# Altium PCB AIWAC-bolster-V02_Change_comment.PcbDoc (part 1 of 2) (continued)
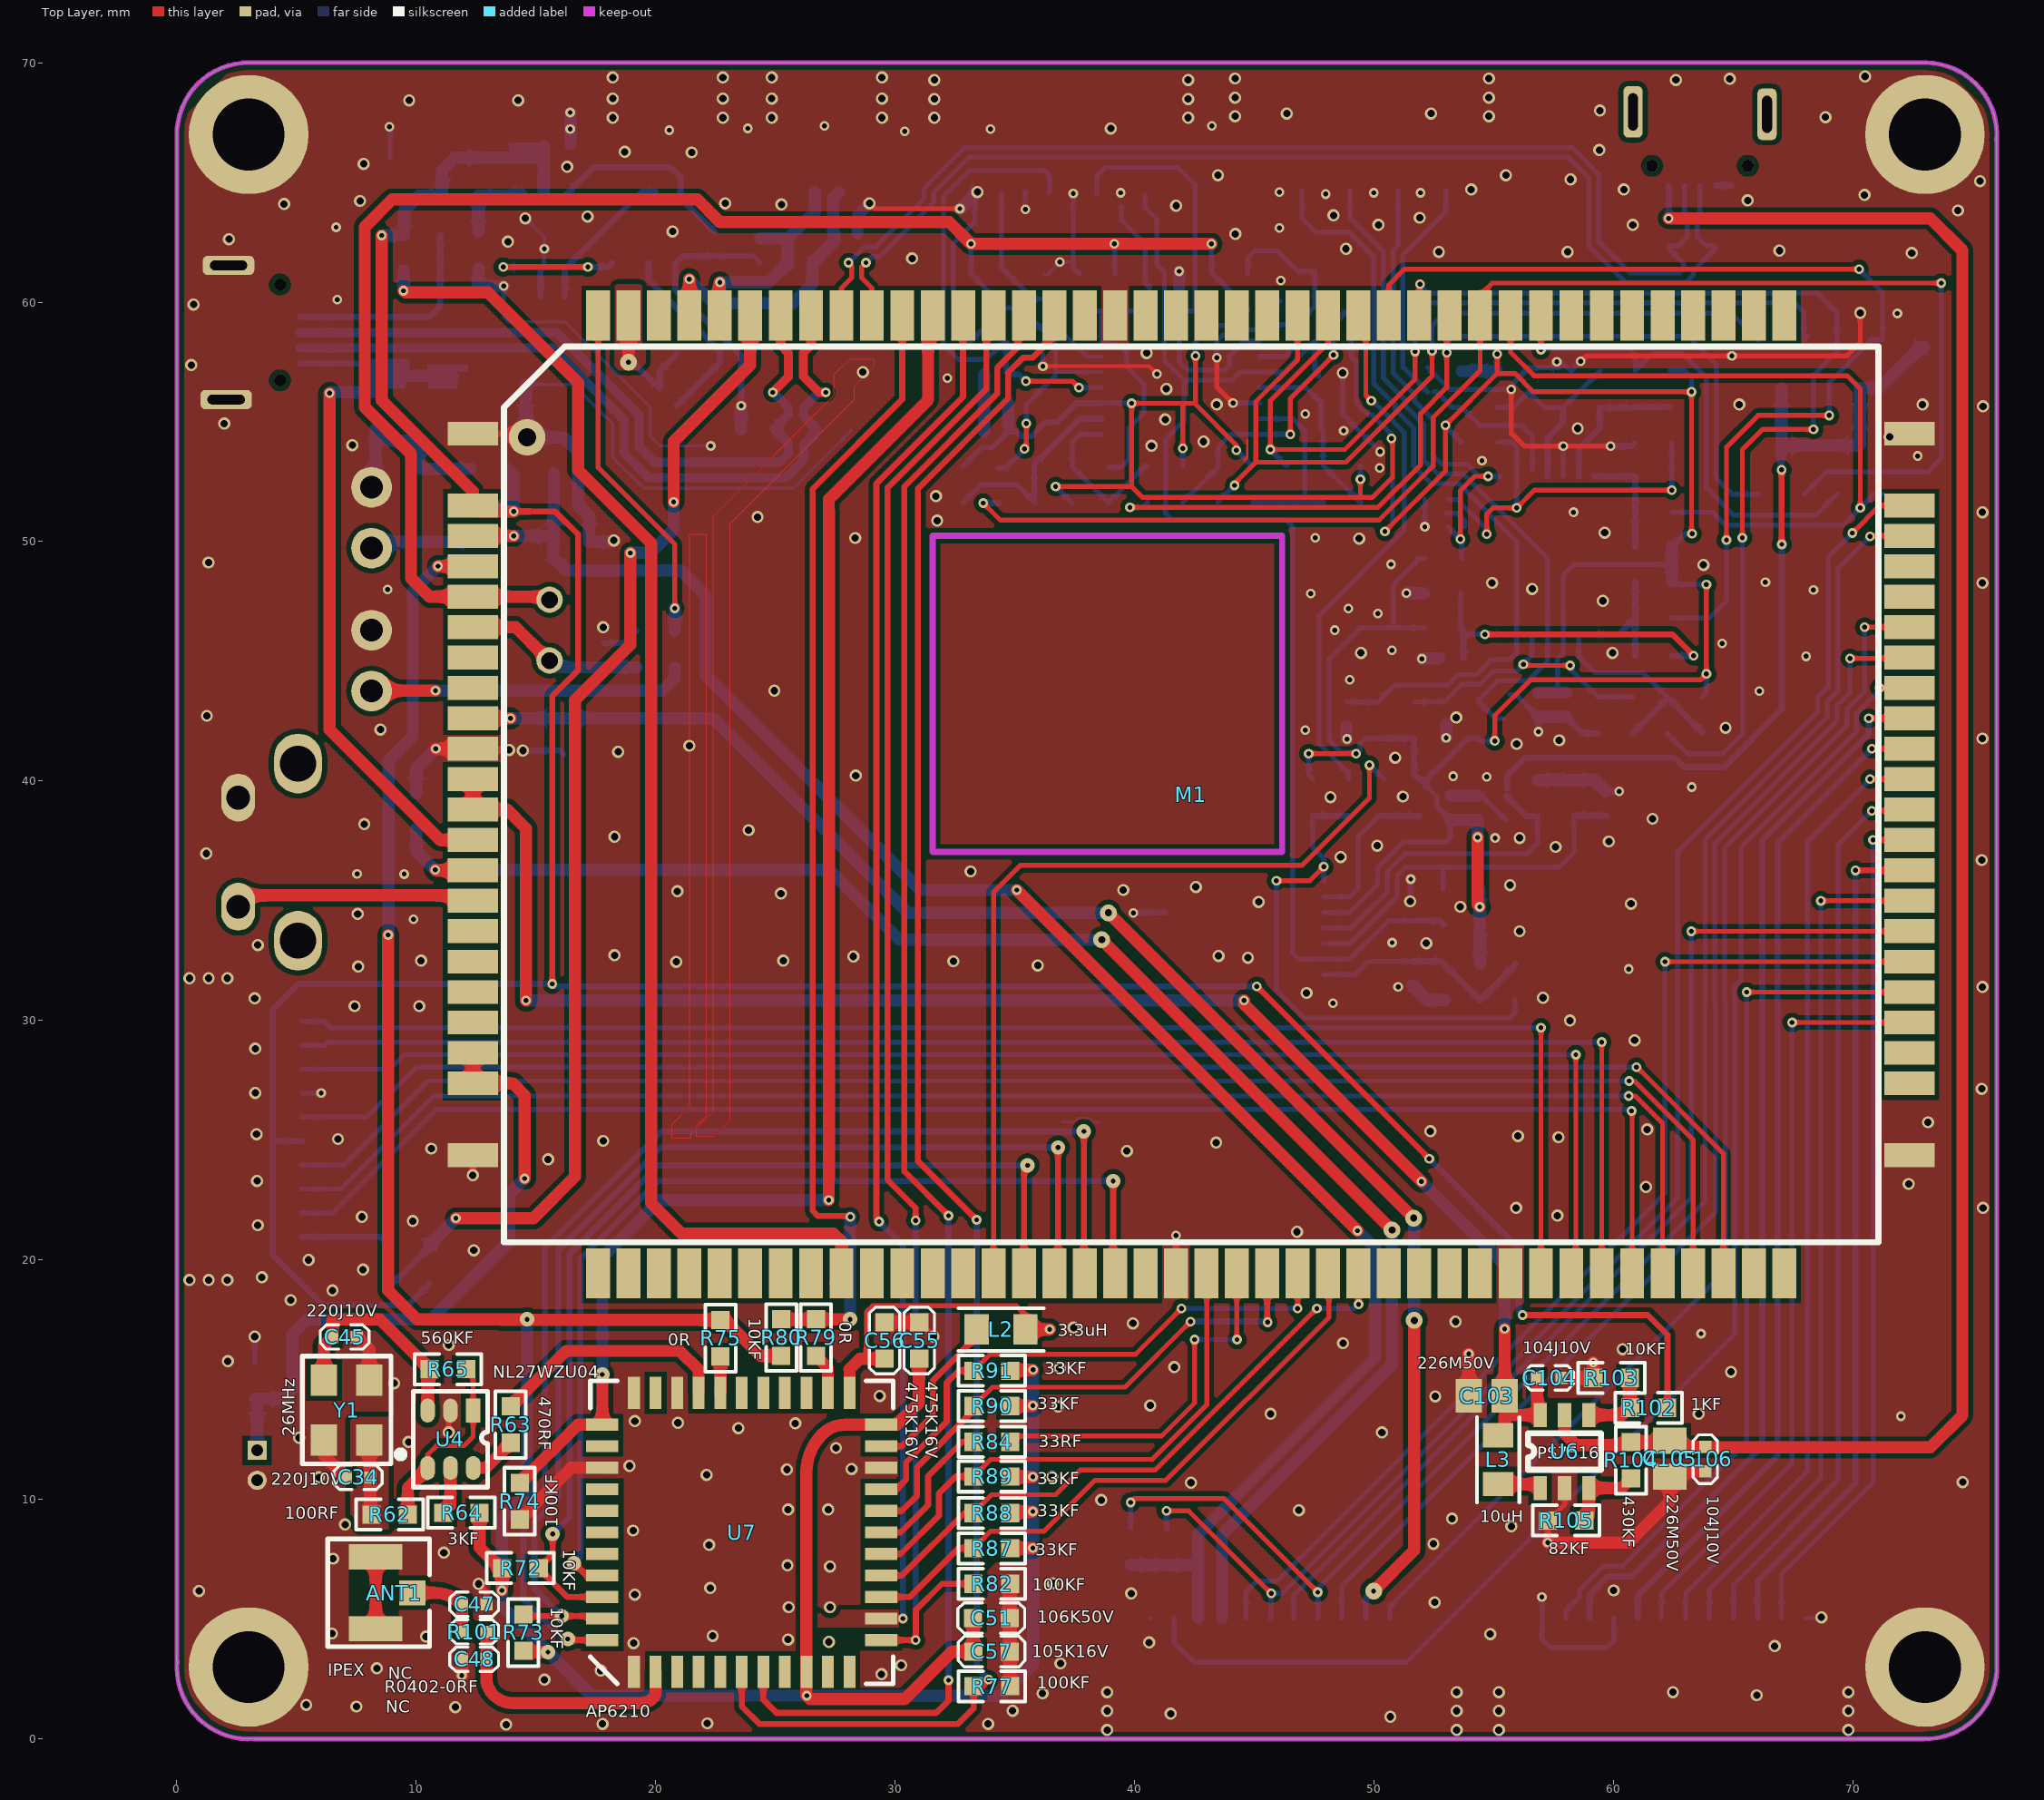
[diagram p0: Top Layer view]
## Components (designator, comment, footprint, x,y, rotation, side; value= is the part's Value field where it differs from the comment) (continued)
Y1 "26MHz" Y-CPX-32GA-4P 8.04,12.483 r90 top

## Footprints (in the part's own frame and the unit in brackets; to place one, negate y for a bottom-side part, rotate by r counter-clockwise, add the part's x,y. Pads: shape width x height; smd on the part's side, far side on the other; paste and mask are expansions set on the pad)
A33-CORE2 [mm]
  rect 2.1x1 smd: 1(0,0) 2(0,-1.27) 3(0,-2.54) 4(0,-3.81) 5(0,-5.08) 6(0,-6.35) 7(0,-7.62) 8(0,-8.89) 9(0,-10.16) 10(0,-11.43) 11(0,-12.7) 12(0,-13.97) 13(0,-15.24) 14(0,-16.51) 15(0,-17.78) 16(0,-19.05) 17(0,-20.32) 18(0,-21.59) 19(0,-22.86) 20(0,-24.13) 61(60,-24.13) 62(60,-22.86) 63(60,-21.59) 64(60,-20.32) 65(60,-19.05) 66(60,-17.78) 67(60,-16.51) 68(60,-15.24) 69(60,-13.97) 70(60,-12.7) 71(60,-11.43) 72(60,-10.16) 73(60,-8.89) 74(60,-7.62) 75(60,-6.35) 76(60,-5.08) 77(60,-3.81) 78(60,-2.54) 79(60,-1.27) 80(60,0) 121(0,3) 122(0,-27.13) 123(60,-27.13) 124(60,3)
  rect 1x2.1 smd: 21(5.235,-32.065) 22(6.505,-32.065) 23(7.775,-32.065) 24(9.045,-32.065) 25(10.315,-32.065) 26(11.585,-32.065) 27(12.855,-32.065) 28(14.125,-32.065) 29(15.395,-32.065) 30(16.665,-32.065) 31(17.935,-32.065) 32(19.205,-32.065) 33(20.475,-32.065) 34(21.745,-32.065) 35(23.015,-32.065) 36(24.285,-32.065) 37(25.555,-32.065) 38(26.825,-32.065) 39(28.095,-32.065) 40(29.365,-32.065) 41(30.635,-32.065) 42(31.905,-32.065) 43(33.175,-32.065) 44(34.445,-32.065) 45(35.715,-32.065) 46(36.985,-32.065) 47(38.255,-32.065) 48(39.525,-32.065) 49(40.795,-32.065) 50(42.065,-32.065) 51(43.335,-32.065) 52(44.605,-32.065) 53(45.875,-32.065) 54(47.145,-32.065) 55(48.415,-32.065) 56(49.685,-32.065) 57(50.955,-32.065) 58(52.225,-32.065) 59(53.495,-32.065) 60(54.765,-32.065) 81(54.765,7.935) 82(53.495,7.935) 83(52.225,7.935) 84(50.955,7.935) 85(49.685,7.935) 86(48.415,7.935) 87(47.145,7.935) 88(45.875,7.935) 89(44.605,7.935) 90(43.335,7.935) 91(42.065,7.935) 92(40.795,7.935) 93(39.525,7.935) 94(38.255,7.935) 95(36.985,7.935) 96(35.715,7.935) 97(34.445,7.935) 98(33.175,7.935) 99(31.905,7.935) 100(30.635,7.935) 101(29.365,7.935) 102(28.095,7.935) 103(26.825,7.935) 104(25.555,7.935) 105(24.285,7.935) 106(23.015,7.935) 107(21.745,7.935) 108(20.475,7.935) 109(19.205,7.935) 110(17.935,7.935) 111(16.665,7.935) 112(15.395,7.935) 113(14.125,7.935) 114(12.855,7.935) 115(11.585,7.935) 116(10.315,7.935) 117(9.045,7.935) 118(7.775,7.935) 119(6.505,7.935) 120(5.235,7.935)
  Keep-Out Layer lines w0.254: 19.2,-14.465 19.2,-1.265 33.8,-1.265 33.8,-14.465 19.2,-14.465
  silkscreen extent 1.3,-30.76 58.7,6.63, body extent 0,-32.06 59.69,7.94, height 1.5
AP6210 [mm]
  rect 1.35x0.5 smd: 1(0,0) 2(0,-0.9) 3(0,-1.8) 4(0,-2.7) 5(0,-3.6) 6(0,-4.5) 7(0,-5.4) 8(0,-6.3) 9(0,-7.2) 10(0,-8.1) 11(0,-9) 23(11.65,-9) 24(11.65,-8.1) 25(11.65,-7.2) 26(11.65,-6.3) 27(11.65,-5.4) 28(11.65,-4.5) 29(11.65,-3.6) 30(11.65,-2.7) 31(11.65,-1.8) 32(11.65,-0.9) 33(11.65,0)
  rect 0.5x1.35 smd: 12(1.325,-10.325) 13(2.225,-10.325) 14(3.125,-10.325) 15(4.025,-10.325) 16(4.925,-10.325) 17(5.825,-10.325) 18(6.725,-10.325) 19(7.625,-10.325) 20(8.525,-10.325) 21(9.425,-10.325) 22(10.325,-10.325) 34(10.325,1.325) 35(9.425,1.325) 36(8.525,1.325) 37(7.625,1.325) 38(6.725,1.325) 39(5.825,1.325) 40(4.925,1.325) 41(4.025,1.325) 42(3.125,1.325) 43(2.225,1.325) 44(1.325,1.325)
  silkscreen extent -0.5,-10.82 12.15,1.83, body extent -0.2,-10.5 11.9,1.5, height 1.5
C0402 [mil]
  rect 20x20 smd: 1(0,0) 2(40,0)
  silkscreen extent -20,-20 60,20, body extent 0,-10 40,10, height 20
C0603 [mil]
  rect 30x30 smd: 1(0,0) 2(60,0)
  silkscreen extent -25,-25 85,25, body extent -1,-15 61,16, height 12
C0805 [mm] "Chip Capacitor, Body 2.0x1.3mm, IPC High Density"
  rect 1.1x1.4 smd: 1(-0.75,0) 2(0.75,0)
  body extent -1.1,-0.72 1.1,0.72, height 1.4
C1206 [mm] "Chip Capacitor, Body 3.2x1.6mm, IPC High Density"
  rect 1.1x1.7 smd: 1(-1.35,0) 2(1.35,0)
  silkscreen extent -0.4,-0.75 0.4,0.75, body extent -1.7,-0.9 1.7,0.9, height 1.3
D-LED0603G [mil]
  rect 30x30 smd: 1(0,0) 2(60,0)
  silkscreen extent -25,-25 90,25, body extent -2,-16 62,15, height 24
HS_0603D [mil]
  rect 30x30 smd: 1(-27.5,0) 2(27.5,0)
  silkscreen extent -70,-21 49,23
J-IPEX [mm]
  rect 1.1x1.05 smd: 1(1.525,-1.5)
  rect 2.25x1.05 smd: 2(0,0) 3(0,-3)
  Top Layer pour cut-out: -1.125,-0.525 -1.125,-2.475 0.975,-2.475 0.975,-0.525
  silkscreen extent -2,-3.75 2.25,0.75
J-SH1.0-T-1-LT-2A_卧式 [mm]
  rect 0.4x1.2 smd: 1(0,0) 2(1,0)
  rect 1.5x2.22 smd: 3(-1.4,-3.92) 4(2.4,-3.9)
  silkscreen extent -1.5,-4.98 2.5,-0.5
J-SH1.0-T-1-LT-8A_卧式 [mm]
  rect 0.4x1.2 smd: 1(0,0) 2(1,0) 3(2,0) 4(3,0) 5(4,0) 6(5,0) 7(6,0) 8(7,0)
  rect 1.5x2.22 smd: 9(-1.4,-3.92) 10(8.4,-3.92)
  silkscreen extent -1.5,-4.98 8.5,-0.5
J-SH1.0-T-1-LT-10A_卧式 [mm]
  rect 0.4x1.2 smd: 1(0,0) 2(1,0) 3(2,0) 4(3,0) 5(4,0) 6(5,0) 7(6,0) 8(7,0) 9(8,0) 10(9,0)
  rect 1.5x2.22 smd: 11(-1.4,-3.92) 12(10.4,-3.92)
  silkscreen extent -1.5,-4.98 10.5,-0.5
J-SH1.0-T-1-LT-12A_卧式 [mm]
  rect 0.4x1.2 smd: 1(0,0) 2(1,0) 3(2,0) 4(3,0) 5(4,0) 6(5,0) 7(6,0) 8(7,0) 9(8,0) 10(9,0) 11(10,0) 12(11,0)
  rect 1.5x2.22 smd: 13(-1.4,-3.92) 14(12.4,-3.92)
  silkscreen extent -1.5,-4.98 12.5,-0.5
L0805 [mil]
  rect 40x50 smd: 1(0,0) 2(80,0)
  silkscreen extent -30,-35 110,35, body extent 1,-25 79,25, height 22
LEDΦ5-H12 [mm] "LEDΦ5-12mm隔空90度插件"
  round 1.7 hole 0.94: A(1.27,0) K(-1.27,0)
  silkscreen extent -2.92,1.02 2.29,10.53
"MICRO-USB - 5.9"#1 [mm]
  rect 1.2x1 smd: 0(0.55,4.307) 0(6.95,4.307)
  rect 0.4x2.1 smd: 1(2.45,5.132) 2(3.1,5.132) 3(3.75,5.132) 4(4.4,5.132) 5(5.05,5.132)
  rrect50% 0.8x2.15 hole 0.4 slot 1.55 at 90 deg: 6(0.95,2.057) 6(6.55,2.157)
  rect 1.8x1.9 smd: 6(2.556,2.057) 6(4.943,2.057)
  round 0.5 hole 0.5 unplated: ""(1.75,4.307) ""(5.75,4.307)
  silkscreen extent 0,0 7.5,5.25
"MICRO-USB - 5.9"#2 [mm]
  rrect50% 0.8x2.15 hole 0.4 slot 1.55 at 90 deg: 0(0.95,2.057) 0(6.55,2.157)
  rect 0.4x2.1 smd: 1(2.45,5.132) 2(3.1,5.132) 3(3.75,5.132) 4(4.4,5.132) 5(5.05,5.132)
  rect 1.2x1 smd: 6(0.55,4.307) 7(6.95,4.307)
  rect 1.8x1.9 smd: 8(2.556,2.057) 9(4.943,2.057)
  round 0.5 hole 0.5 unplated: ""(1.75,4.307) ""(5.75,4.307)
  silkscreen extent 0,0 7.5,5.25
R0603 [mil]
  rect 30x30 smd: 1(0,0) 2(60,0)
  silkscreen extent -25,-25 85,25, body extent 0,-16 62,15, height 18
R-NTC-10K [mm]
  round 1.1 hole 0.7: 1(0,0) 2(2.54,0)
  silkscreen extent -1.3,-1.3 3.84,1.3, body extent -0.33,-0.76 2.87,0.74, height 3.9
S1.25-2P [mm]
  rect 0.8x0.8 hole 0.5: 1(0,0)
  round 0.8 hole 0.5: 2(1.25,0)
  silkscreen extent -0.75,-1.27 2,1.27, body extent -0.41,-0.41 0.39,0.39, height 8
SW2-6*6H [mm] "2脚按键-6*6 横按"
  oval 2.5x2 hole 1.5: 0(-3.7,1.25) 0(3.7,1.25)
  oval 2x1.4 hole 1: 1(2.28,-1.25) 2(-2.28,-1.25)
  silkscreen extent -4,-7.75 4,3.05, body extent -3.94,-7.83 4.06,3.05, height 7.1
U-SOT-23-3 [mil]
  rect 36x36 smd: 1(0,0) 2(75,0)
  rect 36x50 smd: 3(38,80)
  silkscreen extent -20,-5 95,85, body extent -20,-10 95,90, height 50
U-SOT-23-6 [mil]
  rect 22x40 smd: 1(0,0) 2(-40,0) 3(-80,0) 4(-80,-120) 5(-40,-120) 6(0,-120)
  silkscreen extent -100,-90 20,-30, body extent -101,-127 19,10, height 59
U-TSOP-6 [mm]
  rect 1x0.6 smd: 1(0,0)
  oval 1x0.6 smd: 2(0,-0.95) 3(0,-1.9) 4(2.4,-1.9) 5(2.4,-0.95) 6(2.4,0)
  silkscreen extent -0.8,-2.5 3.2,0.6
U-TSOT26 [mm]
  rect 0.56x1.01 smd: 1(0,0)
  oval 0.56x1.01 smd: 2(-0.95,0) 3(-1.9,0)
  oval 0.56x1.1 smd: 4(-1.9,-3.05) 5(-0.95,-3.05) 6(0,-3.05)
  silkscreen extent -2.54,-2.29 0.51,-0.76, body extent -2.51,-3.3 0.53,0.3, height 1.5
U-TSSOP14 [mm]
  rect 1.5x0.32 smd: 1(0,0)
  oval 1.5x0.32 smd: 2(0,-0.65) 3(0,-1.3) 4(0,-1.95) 5(0,-2.6) 6(0,-3.25) 7(0,-3.9) 8(6.6,-3.9) 9(6.6,-3.25) 10(6.6,-2.6) 11(6.6,-1.95) 12(6.6,-1.3) 13(6.6,-0.65) 14(6.6,0)
  silkscreen extent 1.59,-4.23 5.01,0.33, body extent 0,-4.3 6.6,0.3, height 1.5
Y-CPX-32GA-4P [mm]
  rect 1.3x1.1 smd: 1(0,0) 2(2.5,0) 3(2.5,1.9) 4(0,1.9)
  silkscreen extent -1,-1.44 3.5,2.8

## Part data
ANT1: library part J-IPEX, "天线接口IPEX"
C1 C2 C3 C4 C5 C6 C7 C8 C11 C12 C13 C14 C15 C16 C17 C18 C21 C22 C26 C27: library part C0402X7R-101J10V, "贴片电容-陶瓷"
C9 C19 C23 C25 C30 C35 C37 C38 C39 C50 C104 C106: library part C0402X7R-104J10V, "贴片电容-陶瓷"
C10 C20 C31 C33: library part C0402X7R-105J10V, "贴片电容-陶瓷"
C24 C28 C29 C101 C103 C105: library part C0805Y5V-226M50V, "贴片电容-陶瓷"
C32 C42 C43: library part "C1206-A型 极性电容", "C 1206钽电容 --220UF 10V 3216 A型 有极性电容 3.2mm X 1.6mm"
C34 C36 C40 C45 C47 C48: library part C0402X7R-220J10V, "贴片电容-陶瓷"
C41: library part C0805X7R-226K25V, "贴片电容-陶瓷"
C44 C51: library part C0603X7R-106K50V, "贴片电容-陶瓷"
C55 C56: library part C0603X7R-475K16V, "贴片电容-陶瓷"
C57: library part C0603X7R-105K16V, "贴片电容-陶瓷"
C100: library part C0603X7R-330J25V, "贴片电容-陶瓷"
D1 D2 D4 D5: "贴片二极管-肖特基"
D3: library part DLED-0603-G, "贴片二极管-LED"
D21 D22 D23 D24: library part "D Zener", "Zener Diode"
J3 J4: "SH1.0-T-1-LT-6A_卧式"
J8: library part ZH1.25_2P
J10 J11: library part J-USB-MINI-SOCKET, "USB-A卧式插座"
L2: library part L-0805-3.3uH, "贴片电感-层叠"
L3: library part L-0805-10uH, "贴片电感-层叠"
R1 R2 R5 R6 R25 R26 R29 R30 R51: library part R0603-150KF, "贴片电阻-通用"
R3 R4 R7 R8 R27 R28 R31 R32 R53 R54 R64 R83: library part R0603-3KF, "贴片电阻-通用"
R9 R10 R13 R14 R33 R34 R37 R38 R55 R56 R62: library part R0603-100RF, "贴片电阻-通用"
R11 R12 R15 R16 R35 R36 R40 R41 R57 R59 R60 R67 R72 R73 R76 R80 R100 R103: library part R0603-10KF, "贴片电阻-通用"
R17 R18 R19 R20 R42 R43 R44 R46 R52 R58 R71: library part R0603-47KF, "贴片电阻-通用"
R21 R22 R23 R24 R45 R47 R48 R49: library part R0603-1MF, "贴片电阻-通用"
R39 R50 R68 R74 R77 R82: library part R0603-100KF, "贴片电阻-通用"
R61: library part R0603-820KF, "贴片电阻-通用"
R63: library part R0603-470RF, "贴片电阻-通用"
R65: library part R0603-560KF, "贴片电阻-通用"
R66 R70 R102: library part R0603-1KF, "贴片电阻-通用"
R69: library part R0603-6.8KF, "贴片电阻-通用"
R75 R79: library part R0603-0R, "贴片电阻-通用"
R84: library part R0603-33RF, "贴片电阻-通用"
R87 R88 R89 R90 R91: library part R0603-33KF, "贴片电阻-通用"
R92: library part R0603-2KF, "贴片电阻-通用"
R104: library part R0603-430KF, "贴片电阻-通用"
R105: library part R0603-82KF, "贴片电阻-通用"
RT1: library part RNTC-10K_5%, "插件电阻-热敏"
S1: library part S-KSMD6X6-4P, "轻触按键"
Y1: library part YC-26MHz, "晶振-贴片无源"

## Free pads (board coordinates)
  round 5 hole 3: 0(3,3) 0(3,67) 0(73,3) 0(73,67)
  round 1.524 hole 0.762: 2(14.624,54.353)
  round 0.406 hole 0.203: 4(24.885,56.232) 4(27.095,56.232)

## Via types
v1: diameter 0.508, hole 0.305, Top Layer to Bottom Layer, tented both sides, 304 vias
v2: diameter 0.406, hole 0.203, Top Layer to Bottom Layer, tented both sides, 159 vias
v3: diameter 0.406, hole 0.201, Top Layer to Bottom Layer, tented both sides, 74 vias
v4: diameter 0.6, hole 0.2, Top Layer to Bottom Layer, tented both sides, 10 vias
v5: diameter 0.7, hole 0.3, Top Layer to Bottom Layer, tented both sides, 5 vias
v6: diameter 0.7, hole 0.201, Top Layer to Bottom Layer, tented both sides, 2 vias
v7: diameter 0.402, hole 0.201, Top Layer to Bottom Layer, tented both sides, 2 vias
v8: diameter 0.6, hole 0.201, Top Layer to Bottom Layer, tented both sides, 2 vias

## Nets (pads, with @x,y where several pads share a name; then routed paths per layer and width w, separated by ;. In a path a pad name is that pad's centre, name@x,y a point inside that pad or via, vN(x,y) a via of type N, cw(c..) or ccw(c..) an arc to the next point about the centre after c; other vN are vias at no path point)
+B5V: C105.1 C106.2 J11.1 R104.2 U6.5 | length 80.8
  Top Layer w0.504: U6.5@57.95,13.523 57.95,12.761 58.436,12.275 60.6,12.275 R104.2@60.725,12.4 C105.1@62.3,12.4 ; 64.1,12.175 73.225,12.175 74.564,13.514 74.564,14.589
  Top Layer w0.508: C105.1@62.3,12.4 62.509,12.191 C106.2@63.825,12.191 ; v3(62.3,63.5) 73.225,63.5 74.564,62.161 74.564,14.589
  Bottom Layer w0.254: v3(62.3,63.5) 62.307,63.507 J11.1@62.307,64.868
AP-CK32KO: M1.110 R79.2 R80.2 | length 47.8
  Top Layer w0.254: v3(28.125,21.8) 28.091,21.834 26.766,21.834 26.55,22.05 26.55,52.2 30.293,55.943 M1.110@30.293,59.443
  Top Layer w0.5: R80.2@25.241,17.523 R79.2@26.689,17.523 v4(28.111,17.523)
  Bottom Layer w0.5: v4(28.111,17.523) 28.111,21.786 v3(28.125,21.8)
AP-UART1-CTS: M1.38 U7.41 | length 41.7
  Top Layer w0.254: v4(16.58,7.337) 17.094,6.823 U7.41@17.765,6.823 ; v4(39.1,23.3) 39.1,19.526 M1.38@39.183,19.443
  Bottom Layer w0.254: v4(16.58,7.337) 16.85,7.608 16.85,20.05 20.1,23.3 v4(39.1,23.3)
AP-UART1-RTS: M1.37 U7.44 | length 49.5
  Top Layer w0.254: v4(16.326,4.175) 16.378,4.123 U7.44@17.765,4.123 ; v4(37.875,25.375) 37.875,19.481 M1.37@37.913,19.443
  Bottom Layer w0.254: v4(16.326,4.175) 16.133,4.175 14.471,5.837 14.471,9.243 15.375,10.147 15.375,20.515 20.235,25.375 v4(37.875,25.375)
AP-UART1-RX: M1.35 R72.2 U7.42 | length 42.3
  Top Layer w0.254: v4(15.691,8.557) 15.691,7.718 R72.2@15.106,7.134 16.317,5.923 U7.42@17.765,5.923 ; M1.35@35.373,19.443 35.373,23.798 v4(35.525,23.95)
  Top Layer w0.5: M1.35@35.373,19.443 M1.35@35.579,19.649
  Bottom Layer w0.254: v4(15.691,8.557) 16.393,9.259 16.393,20.239 20.103,23.95 v4(35.525,23.95)
AP-UART1-TX: M1.36 R73.2 U7.43 | length 47.5
  Top Layer w0.254: R73.2@14.471,5.204 14.548,5.128 v4(16.072,5.128) 17.661,5.128 U7.43@17.765,5.023 ; M1.36@36.643,19.443 36.8,19.6 v4(36.8,24.7)
  Bottom Layer w0.254: v4(16.072,5.128) 14.929,6.271 14.929,9.054 15.921,10.046 15.921,20.414 20.207,24.7 v4(36.8,24.7)
AVDD-CSI: C29.1 J2.3 M1.8 | length 65.5
  Top Layer w0.508: M1.8@12.358,42.618 v2(13.938,42.618) ; v5(38.9,34.5) v5(51.65,21.75) ; v6(49.975,6.175) 51.675,7.875 v5(51.675,17.475)
  Bottom Layer w0.254: J2.3@49.647,5.052 49.647,5.847 v6(49.975,6.175)
  Bottom Layer w0.508: v2(13.938,42.618) 16.143,42.618 C29.1@16.15,42.625 22.4,42.625 30.525,34.5 v5(38.9,34.5) ; v5(51.675,17.475) v5@51.675,21.725
BT-HOST-WAKE: M1.106 U7.7 | length 70
  Top Layer w0.254: U7.7@24.49,2.798 24.49,1.635 25.043,1.082 31.707,1.082 32.225,1.6 v3(32.225,2.45) ; v3(32.225,21.85) 30.375,23.7 30.375,52.289 34.258,56.172 34.258,57.247 35.125,58.114 35.125,59.195 M1.106@35.373,59.443
  Bottom Layer w0.254: v3(32.225,2.45) v3(32.225,21.85)
BT-RST-N: M1.109 R74.1 U7.34 | length 60.6
  Top Layer w0.5: R74.1@14.319,10.69 16.752,13.123 U7.34@17.765,13.123 v4(17.765,15.22) ; v3(27.225,22.5) 27.225,23.375 ; 27.225,51.3 27.225,51.775 31.375,55.925 31.375,59.255 M1.109@31.563,59.443
  Top Layer w0.508: 27.225,23.375 27.225,51.3
  Bottom Layer w0.5: v4(17.765,15.22) 17.765,20.09 20.175,22.5 v3(27.225,22.5)
BT-WAKE: M1.105 R77.1 U7.6 | length 74.1
  Top Layer w0.254: U7.6@23.59,2.798 23.59,1.36 24.325,0.625 32.625,0.625 33.273,1.273 R77.1@33.273,2.2 33.625,2.2 v3(33.9,2.475) ; v3(33.4,21.675) 30.95,24.125 30.95,52.218 34.715,55.983 34.715,57.057 35.332,57.675 35.725,57.675 36.643,58.593 M1.105@36.643,59.443
  Bottom Layer w0.254: v3(33.4,21.675) 33.4,2.975 v3(33.9,2.475)
CHGLED: M1.120 R83.2 | length 14.5
  Top Layer w0.203: M1.120@17.593,59.443 17.593,53.085 20.796,49.882 v2(20.796,47.215)
  Bottom Layer w0.508: R83.2@20.796,46.276 v2(20.796,47.215)
DOVDD-CSI: C23.1 C24.1 C25.1 J2.10 M1.2 R39.2 R50.1 | length 77.4
  Top Layer w0.508: M1.2@12.358,50.238 v2(14.065,50.238) ; v3(35.075,35.45) v3(49.3,21.225)
  Bottom Layer w0.508: v2(14.065,50.238) C24.1@15.462,50.238 ; C23.1@15.741,52.854 C25.1@15.741,51.533 15.741,50.009 C24.1@15.716,49.984 15.716,49.349 16.275,48.79 21.035,48.79 22.075,47.75 22.075,44.425 31.05,35.45 v3(35.075,35.45) ; R50.1@39.834,7.28 39.859,7.255 R39.2@41.333,7.255 42.642,7.255 42.642,8.536 42.647,8.541 ; J2.10@42.647,5.052 42.647,8.541 ; v3(49.3,21.225) 50.035,20.49 50.035,16.521 50.036,16.52 50.036,15.93 42.647,8.541
DVDD1V8-CSI: C28.1 J2.9 M1.13 | length 68.9
  Top Layer w0.508: v2(10.788,36.293) 10.814,36.268 M1.13@12.358,36.268 ; v5(38.624,33.375) v5(50.747,21.252)
  Bottom Layer w0.508: C28.1@10.001,37.994 10.001,37.081 v2(10.788,36.293) 27.257,36.293 30.175,33.375 v5(38.624,33.375) ; J2.9@43.647,5.052 43.647,8.535 50.747,15.636 v5(50.747,21.252)
GND: ANT1.2 ANT1.3 C1.1 C2.1 C3.1 C4.1 C5.2 C6.2 C7.2 C8.2 C9.1 C10.2 C11.1 C12.1 C13.1 C14.1 C15.2 C16.2 C17.2 C18.2 C19.1 C20.2 C21.1 C22.1 C23.2 C24.2 C25.2 C26.2 C27.2 C28.2 C29.2 C30.1 C31.2 C32.1 C33.1 C34.2 C35.1 C36.2 C39.2 C40.2 C41.2 C42.2 C43.2 C44.1 C45.2 C47.1 C48.1 C50.2 C51.2 C55.1 C56.1 C57.2 C100.2 C103.2 C104.1 C105.2 C106.1 D3.2 D6.K D7.K D21.1 D22.1 D23.1 D24.1 J1.1 J1.9 J1.12 J1.13 J1.14 J2.1 J2.12 J2.13 J2.14 J3.1 J3.3 J3.5 J3.7 J3.9 J3.10 J4.1 J4.3 J4.5 J4.7 J4.9 J4.10 J6.3 J6.4 J7.3 J7.4 J8.2 J9.7 J9.11 J9.12 J10.5 J10.6 J11.4 J11.5 J11.6 J11.7 J11.8 J11.9 M1.9 M1.40 M1.51 M1.103 M1.121 M1.122 M1.123 M1.124 pad.0 pad.2 R21.1 R22.1 R23.1 R24.1 R45.1 R47.1 R48.1 R49.1 R52.1 R59.1 R61.1 R67.1 R74.2 R76.1 R77.2 R82.2 R103.1 R105.1 S1.1 U1.12 U2.12 U3.12 U4.2 U5.2 U6.2 U7.1 U7.20 U7.31 U7.33 U7.36 Y1.2 Y1.4 | length 218.8
  Top Layer w0.102: 44.6,53.425 44.697,53.522 44.697,54.255
  Top Layer w0.152: v2(36.163,57.325) 40.6,57.325 v2(40.925,57)
  Top Layer w0.203: U4.2@11.423,13.713 11.35,13.639 v1(11.35,12.8) v1@11.475,12.8 ; v1(12.358,23.542) M1.122@12.358,24.378 ; M1.121@12.358,54.508 14.469,54.508 pad.2@14.624,54.353 ; v1(12.6,6.475) 12.925,6.15 C47.1@12.925,5.625 ; v1(28.925,64.125) 29.15,63.9 v3(32.7,63.9) ; C55.1@31,17.4 v1(31.6,16.8) ; M1.40@41.723,19.443 41.723,21.025 v2(41.726,21.028) ; v2(43.427,57.68) 43.427,56.459 v2(44.105,55.781) ; v2(55.728,56.353) 55.728,54.522 56.263,53.987 v2(57.895,53.987) v2(59.876,53.987) ; v3(57.25,8.2) R105.1@57.25,9.125 57.3,9.125 57.95,9.775 U6.2@57.95,10.475 ; v3(58.625,57.525) 58.856,57.756 v2(64.941,57.756) 69.756,57.756 70.3,58.3 v1(70.3,59.55)
  Top Layer w0.254: M1.9@11.85,41.348 11.898,41.3 v1(13.875,41.3)
  Top Layer w0.508: Y1.4@6.14,12.483 6.14,11.833 C34.2@7.055,10.919 ; C45.2@7.512,16.786 8.04,16.258 Y1.2@8.04,14.983 ; ANT1.3@8.3,4.6 ANT1.2@8.3,7.6 ; v2(10.814,41.348) M1.9@11.85,41.348 ; v3(11.9,2.65) 11.909,2.659 C48.1@11.909,3.325 ; R74.2@14.319,9.166 16.476,11.323 U7.36@17.765,11.323 ; v1@18.231,50.031 v1(18.25,50.05) ; C56.1@29.559,17.4 C55.1@31,17.4 ; R77.2@34.797,2.2 34.797,3.637 C57.2@34.784,3.65 34.784,5.04 C51.2@34.774,5.05 34.774,6.452 R82.2@34.797,6.475 ; C103.2@53.95,14.325 v3(53.95,16.075) ; v3(57.25,8.2) 60.625,8.2 62.35,9.925 C105.2@62.35,10.95 62.575,11.175 C106.1@63.825,11.175 ; C104.1@57.816,15.075 R103.1@59.151,15.075 v3(59.15,15.725) v3(59.15,15.725)
  Bottom Layer w0.102: 36.975,25.8 37.019,25.756 37.473,25.756 37.646,25.929 38.104,25.929 38.283,25.75 38.475,25.75
  Bottom Layer w0.127: v2(13.65,60.675) 13.65,59.365 13.833,59.182 16.207,59.182 19.767,55.622 19.767,54.402 20.173,53.997 v2(22.295,53.997) ; C43.2@14.581,56.563 16.554,56.563 18.205,54.912 18.205,53.519 19.505,52.219 25.749,52.219 D22.1@28.162,54.632 D22.1@28.137,54.658 ; v2(23.565,55.674) 23.565,55.928 ; C11.1@36.2,61.15 36.35,61.15 v3(36.875,61.675) 37.408,61.675 37.433,61.7
  Bottom Layer w0.152: v1(14.55,63.5) 15.343,62.707 v2(15.343,62.225) 15.32,62.202 U5.2@15.32,61.463 ; J2.12@40.623,5.052 J2.12@40.647,5.052 ; J1.1@68.005,5.052 v1@68.675,5.052
  Bottom Layer w0.203: C41.2@3.25,15.7 v1(3.25,16.8) ; J9.7@5.207,26.965 6.015,26.965 v3(6.025,26.975) ; v2(8.875,67.325) 8.905,67.295 C32.1@8.905,66.037 ; C36.2@22.447,61.922 24.073,61.922 C35.1@24.352,61.643 ; R45.1@33.115,59.763 32.422,60.456 32.422,62.452 33.325,63.355 33.325,64.492 v1(33.433,64.6) ; v3(35.433,63.875) J4.3@35.433,64.6 ; v2(36.163,57.325) C16.2@36.163,57.807 ; v2(37.433,64.538) 37.433,61.7 37.433,61.439 R49.1@37.712,61.16 ; 39.433,63.963 39.433,63.434 40.43,62.437 40.43,60.779 C15.2@40.608,60.601 C15.2@40.608,60.677 ; v2(43.427,57.68) 43.427,58.366 43.681,58.62 44.164,58.62 44.39,58.846 45.126,58.846 45.409,59.128 45.409,59.4 C17.2@46.05,60.041 ; v2(44.105,55.781) U2.12@45.205,55.781 ; v3@45.99,63.147 v3(46.044,63.094) ; v2(47.974,64.513) J3.3@47.99,64.497 ; C18.2@48.685,55.902 48.685,55.318 R48.1@49.396,54.607 50.251,53.753 v3(50.252,53.753) ; C18.2@48.685,55.937 v1(48.685,57.045) ; v2(49.981,64.564) J3.5@49.99,64.554 ; C21.1@51.517,35.182 51.517,35.895 v2(51.525,35.903) ; C26.2@51.576,31.433 C26.2@51.601,31.458 ; C3.1@52.089,50.594 v2(52.114,50.619) C7.2@52.114,51.762 ; C4.1@52.241,57.261 53.15,56.353 v2(55.728,56.353) 55.823,56.448 55.823,56.626 C8.2@56.458,57.261 57.74,57.261 57.742,57.263 57.756,57.28 57.799,57.332 57.814,57.35 57.836,57.377 57.85,57.395 57.875,57.425 58.028,57.291 58.221,57.121 v3(58.625,57.525) ; 53.025,51.175 53.462,51.175 53.775,50.862 53.775,50.625 ; C31.2@54.325,39.391 54.484,39.391 C22.1@55.5,38.375 ; C2.1@55.658,43.616 55.912,43.616 C10.2@56.851,42.677 56.851,42.072 v2(56.864,42.059) ; v3(57,5.925) 57.005,5.92 J1.12@57.005,5.052 57.005,4.155 57.334,3.825 59.75,3.825 60.005,4.08 J1.9@60.005,5.052 ; U1.12@57.895,52.727 v2(57.895,53.987) ; C27.2@59.678,39.572 v2(60.236,39.572) ; R24.1@60.765,53.987 R24.1@60.903,54.124
  Bottom Layer w0.254: v1(14.45,41.275) 16,41.275 C29.2@16.15,41.125 ; C40.2@15.183,60.246 15.183,61.326 U5.2@15.32,61.463 ; C50.2@17.85,45.768 18.688,45.768 R76.1@19.196,46.276 ; C36.2@22.447,61.922 21.122,61.922 20.819,61.619 20.819,60.506 23.565,57.76 23.565,55.928 ; v2(39.948,34.49) 39.973,34.515 U3.12@41.294,34.515 ; C9.1@58.02,42.677 58.706,41.991 R21.1@59.341,41.991 ; v2(59.876,53.987) R24.1@60.765,53.987 ; J11.4@64.257,64.868 J11.5@64.907,64.868
  Bottom Layer w0.48: C39.2@28.425,62.85 28.425,63.625 v1(28.925,64.125)
  Bottom Layer w0.504: C13.1@41.853,60.652 v2(41.853,61.287)
  Bottom Layer w0.508: D7.K@8.128,52.27 8.299,52.441 C44.1@8.299,54.708 8.786,54.222 C42.2@10.077,54.222 10.077,53.167 10.212,53.032 C100.2@12.262,53.032 ; C28.2@10.001,39.494 10.001,40.535 v2(10.814,41.348) ; R67.1@12.592,61.414 12.592,60.474 12.793,60.675 v2(13.65,60.675) ; C43.2@14.581,56.563 14.581,54.843 pad.2@14.624,54.353 16.148,54.353 16.757,53.743 C23.2@16.757,52.854 C25.2@16.757,51.533 17.216,51.075 C24.2@17.216,49.984 18.184,49.984 v1(18.25,50.05) ; C33.1@16.427,66.596 v2(16.427,67.231) v2(16.427,67.916) ; D21.1@23.552,54.708 23.552,55.661 v2(23.565,55.674) ; v3(32.7,63.9) 32.733,63.9 J4.1@33.325,64.492 ; C20.2@33.703,54.596 C19.1@33.703,55.796 C12.1@33.703,56.984 ; C1.1@48.838,42.288 48.838,41.78 v2(48.863,41.754) ; v2(51.352,47.85) R23.1@52.089,47.85 ; C26.2@51.601,31.458 52.211,30.849 R61.1@52.948,30.849 ; v2(51.987,45.107) 51.995,45.115 C5.2@52.711,45.115 ; v2(53.003,41.805) 53.016,41.818 C6.2@53.016,42.372 ; C30.1@53.175,39.391 C31.2@54.325,39.391 ; R52.1@56.827,40.049 R59.1@58.315,40.049 59.201,40.049 C27.2@59.678,39.572 ; C10.2@56.851,42.677 C9.1@58.02,42.677
  other v1: 38.847,0.372 53.447,0.372 55.205,0.372 69.805,0.372 13.75,0.6 17.775,0.625 33.875,0.625 22.15,0.65 50.675,0.925 41.5,1.05 34.9,1.175 38.847,1.172 53.447,1.172 55.205,1.172 69.805,1.172 11.625,1.325 7.5,1.35 5.4,1.425 65.975,1.825 36.15,1.9 38.847,1.952 53.447,1.952 55.205,1.952 62.475,1.95 69.805,1.952 15.35,2.475 29.425,2.7 17.7,2.85 8.35,2.95 30.25,3.075 36.9,3.15 66.725,3.875 19.075,4 40.6,4.025 27.225,4.05 25.525,4.15 10.4,4.275 22.375,4.3 54.85,4.375 6.475,4.4 68.675,5.075 25.55,5.5 27.275,5.5 52.525,5.7 19.125,6.025 39.85,6.075 0.925,6.175 60,6.2 22.275,6.3 36.575,6.5 27.275,7.2 25.5,7.25 6.525,7.525 11.15,7.775 22.225,8.1 52.475,8.15 19.05,8.7 55.725,8.875 7.025,8.95 53.25,9.2 46.85,9.55 25.525,9.575 27.2,9.575 38.6,9.975 42.35,10.7 74.575,10.725 5.925,10.925 36.55,10.95 22.125,11.025 25.475,11.25 28.175,11.275 18.9,11.4 27.525,12.15 9.675,12.4 5.1,12.575 50.325,12.8 23.45,12.975 25.825,13.175 20.925,13.2 19.125,13.275 45.675,13.575 63.55,13.575 36.8,13.875 40.65,13.925 52.55,14.3 29.35,14.325 9.075,14.85 64.9,15.325 36.875,15.475 41.65,15.525 2.125,15.775 60.375,16.275 11.35,16.45 48.7,16.525 37.45,17.175 39.925,17.35 53.4,17.425 4.75,18.325 6.5,18.725 0.527,19.165 1.327,19.165 2.107,19.165 3.55,19.275 7.775,19.6 5.5,20 12.4,20.4 46.775,21.175 3.375,21.45 9.85,21.625 7.725,21.8 57.65,21.85 55.925,22.175 75.425,22.175 61.35,23.05 72.325,23.175 3.35,23.3 15.5,24.2 39.675,24.55 10.625,24.65 43.4,24.9 17.8,24.975 6.725,25.05 57.7,25.125 56,25.175 3.325,25.25 52.35,25.375 61.4,25.45 73.125,25.75 3.275,26.975 75.375,27.15 3.275,28.825 60.875,29.175 58.175,30 7.425,30.6 10.125,30.6 3.25,30.925 57.05,30.95 47.175,31.15 75.4,31.4 0.527,31.765 1.327,31.765 2.107,31.765 7.575,32.25 35.95,32.3 20.85,32.45 32.425,32.475 10.2,32.5 25.325,32.5 44.725,32.625 28.25,32.675 43.5,32.7 18.275,32.725 3.375,33.15 52.175,33.225 56.075,33.725 7.55,34.45 53.6,34.75 60.725,34.875 45.175,34.95 51.5,34.975 25.225,35.3 20.9,35.4 39.525,35.45 42.55,35.575 55.675,35.65 33.15,36.225 75.375,36.7 48.6,36.825 1.225,36.975 57.575,37.25 50.125,37.3 59.8,37.475 56.075,37.625 18.275,37.675 23.875,37.95 7.825,38.2 61.625,38.425 48.175,39.325 51.2,39.35 28.35,40.225 50.875,40.975 18.425,41.225 21.4,41.475 55.95,41.55 57.725,41.7 75.4,41.775 8.5,42.15 64.675,42.225 53.425,42.65 1.25,42.725 24.95,43.775 49.45,45.35 59.95,45.35 17.8,46.425 59.55,47.525 56.6,48.025 54.925,48.275 75.4,48.275 63.75,49.025 1.325,49.125 49.375,50.125 28.325,50.15 59.625,50.375 31.75,50.875 24.25,51.025 75.4,51.225 31.7,51.9 40.702,54.003 7.325,54.025 42.875,54.175 71.525,54.375 58.5,54.725 1.975,54.925 41.275,55.1 75.425,55.65 43.425,55.725 65.25,55.725 72.9,55.725 41.325,56.375 28.65,57.075 0.6,57.375 40.5,57.875 0.7,59.9 30.7,61.825 72.45,62.05 52.7,62.1 58.075,62.1 66.925,62.15 48.825,62.225 13.825,62.525 2.175,62.625 44.2,62.85 20.7,62.95 50.175,63.225 60.8,63.225 51.9,63.525 17.15,63.575 48.3,63.625 74.375,63.825 41.725,64.025 25.25,64.075 4.475,64.1 22.9,64.125 7.65,64.225 65.6,64.25 70.475,64.475 54.05,64.7 60.425,64.7 75.3,65.05 58.2,65.125 43.475,65.3 55.502,65.298 16.3,65.65 7.8,65.775 21.5,66.25 18.7,66.275 59.4,66.35 39,67.25 18.2,67.7 22.8,67.7 24.841,67.7 29.441,67.7 31.633,67.7 42.233,67.7 68.85,67.725 44.19,67.76 54.79,67.76 46.35,67.875 52.375,67.875 59.425,68 9.7,68.425 14.25,68.425 31.633,68.48 42.233,68.48 18.2,68.5 22.8,68.5 24.841,68.5 29.441,68.5 44.19,68.54 54.79,68.54 62.6,69.275 31.633,69.28 42.233,69.28 64.85,69.325 44.19,69.34 54.79,69.34 18.2,69.38 22.8,69.38 24.841,69.38 29.441,69.38 70.5,69.425
  other v2: 72,13.475 48.275,30.725 51,31.4 60.625,32.15 50.75,33.25 9.875,34.225 7.525,36.125 9.493,36.116 55.05,37.625 63.265,39.748 54.7,40.175 53.3,40.2 47.125,42.125 66.084,43.761 48.975,44.225 68.04,45.209 50.743,45.463 64.535,45.742 48.35,46.3 50.15,47 48.925,47.2 47.35,47.825 68.345,47.977 8.8,48 66.338,48.308 50.7,49.05 47.542,50.162 58.325,51.225 50.225,53.075 54.5,53.375 72.7,53.575 48.725,54.625 47.127,55.328 32.175,56.825 71.85,59.525 6.7,60.1 6.65,63.125 39.414,64.564 51.936,64.564 46.044,64.589 30.397,67.129 20.567,67.18 33.979,67.231 23.844,67.256 27.044,67.358 43.224,67.358
  other v3: 63.65,16.925 57.625,57.506 46.1,60.9
HPR: C37.2 C101.1 M1.119 | length 5.4
  Top Layer w0.504: v6(18.863,57.487) M1.119@18.863,59.443
  Bottom Layer w0.254: v6(18.863,57.487) 19.059,57.487 C37.2@20.154,56.392 20.154,57.114 C101.1@20.87,57.83
LEFT-F: D2.1 M1.90 R13.2 | length 31.3
  Top Layer w0.203: M1.90@55.693,59.443 55.693,57.907 56.675,56.925 69.75,56.925 70.301,56.374 v2(70.301,51.406)
  Bottom Layer w0.203: R13.2@62.427,51.229 64.128,51.229 64.662,50.695 69.589,50.695 v2(70.301,51.406) 70.872,51.978 D2.1@71.228,51.978
LEFT-H: D1.2 M1.94 R9.2 | length 42.7
  Top Layer w0.203: M1.94@50.613,59.443 50.613,60.722 51.266,61.375 v3(70.25,61.375) ; v2(64.713,50.06) 64.713,53.946 66.033,55.267 v2(69.005,55.267)
  Bottom Layer w0.203: R9.2@62.427,46.809 64.001,46.809 64.713,47.52 v2(64.713,50.06) ; v2(69.005,55.267) 69.005,56.651 70.797,58.442 D1.2@71.228,58.442 71.228,60.397 v3(70.25,61.375)
LEFT-L: D4.2 M1.92 R33.2 | length 40.4
  Top Layer w0.203: v2(39.8,51.432) 50.164,51.432 51.936,53.205 51.936,55.343 53.029,56.436 v2(53.029,57.883) 53.029,59.319 M1.92@53.153,59.443 M1.92@53.153,60.319
  Bottom Layer w0.203: v2(39.8,51.432) 40.329,51.432 R33.2@40.532,51.635 ; v2(53.029,57.883) 53.029,58.279 53.319,58.569 63.112,58.569 64.281,57.401 64.281,52.651 64.954,51.978 D4.2@66.046,51.978
LEFTF: C3.2 J3.6 R5.1 U1.8 | length 20
  Top Layer w0.203: v2(53.598,50.1) 53.598,52.123 54.202,52.727 v2(54.756,52.727)
  Bottom Layer w0.203: J3.6@50.99,64.66 50.99,62.365 50.793,62.168 50.793,57.045 51.682,56.156 51.682,55.865 52.473,55.074 52.47,55.071 52.47,53.58 52.815,53.235 53.867,53.235 54.375,52.727 v2(54.756,52.727) U1.8@55.295,52.727 ; C3.2@53.105,50.594 v2(53.598,50.1) 53.664,50.035 R5.1@53.664,49.298
LEFTH: C1.2 J3.2 R1.1 U1.6 | length 32.5
  Bottom Layer w0.203: J3.2@46.99,64.66 46.99,63.485 47.55,62.925 48.95,62.925 49.981,61.894 49.981,56.613 50.87,55.724 50.87,55.521 51.657,54.734 51.657,53.143 52.378,52.422 53.53,52.422 55.945,50.008 U1.6@55.945,46.127 55.945,45.357 55.645,45.056 54.876,45.056 54.267,44.447 53.5,44.447 53.053,44 50.847,44 R1.1@50.158,43.312 50.151,43.304 C1.2@48.838,43.304
LEFTL: C11.2 J4.2 R25.1 U2.6 | length 9.2
  Bottom Layer w0.152: C11.2@36.2,60.134 37.027,59.307 37.027,58.696 37.992,57.731 U2.6@38.605,57.731
  Bottom Layer w0.203: J4.2@34.433,64.6 34.433,61.442 R25.1@34.664,61.211 35.741,60.134 C11.2@36.2,60.134
LRADC0: M1.115 R68.2 R69.1 | length 49.1
  Top Layer w0.508: v2(11.652,21.739) 14.889,21.739 16.63,23.48 16.63,43.38 18.942,45.691 v2(18.942,49.527) ; v2(20.745,51.66) 20.745,54.17 23.943,57.368 M1.115@23.943,59.443
  Bottom Layer w0.254: R69.1@8.934,18.996 9.01,18.996 R68.2@10.534,20.52
  Bottom Layer w0.508: R68.2@10.534,20.52 10.534,20.622 v2(11.652,21.739) ; v2(18.942,49.527) 19.777,49.527 20.745,50.495 v2(20.745,51.66)
MCLK-IN: R63.1 U7.30 | length 10.1
  Top Layer w0.5: R63.1@13.938,13.891 16.249,16.202 20.999,16.202 21.79,15.411 U7.30@21.79,14.448
MIC+: C35.2 C38.1 J7.1 M1.116 | length 9.3
  Top Layer w0.508: M1.116@22.45,59.35 22.469,59.474 22.673,60.827 v2(22.676,60.83)
  Bottom Layer w0.508: v2(22.676,60.83) 24.714,60.83 C38.1@25.509,61.625 25.509,62.643 25.525,62.659 ; C35.2@24.352,62.659 25.525,62.659 ; J7.1@26.641,64.6 26.641,63.775 25.525,62.659
MIC-: C38.2 C39.1 J7.2 M1.117 | length 11.7
  Top Layer w0.508: M1.117@21.403,59.443 v2(21.403,60.959)
  Bottom Layer w0.508: v2(21.403,60.959) 22.41,59.953 25.723,59.953 26.525,60.755 C38.2@26.525,61.625 27.459,62.559 C39.1@27.459,62.85 ; C39.1@27.409,62.85 27.409,64.368 J7.2@27.641,64.6
MOUTH: C13.2 J4.6 R29.1 U2.8 | length 18.3
  Bottom Layer w0.203: J4.6@38.433,64.558 J4.6@38.454,64.579 ; J4.6@38.433,64.6 38.433,65.283 38.775,65.625 41.8,65.625 42.513,64.912 42.513,59.636 ; R29.1@43.25,59.712 43.173,59.636 42.513,59.636 ; U2.8@45.205,58.381 44.608,58.381 43.961,57.734 43.961,57.375 43.758,57.172 42.208,57.172 41.853,57.528 C13.2@41.853,59.636 42.513,59.636
MOUTH-T: D5.1 M1.97 R37.2 | length 35.1
  Top Layer w0.203: v2(44.164,52.346) 44.164,52.422 45.053,53.311 ; M1.97@46.803,60.167 M1.97@46.803,59.443 46.803,57.592 45.053,55.842 45.053,53.311 ; v2(52.419,57.96) 52.419,56.918 48.812,53.311 45.053,53.311
  Bottom Layer w0.203: R37.2@43.478,51.66 v2(44.164,52.346) ; v2(52.419,57.96) 52.419,59.019 52.934,59.534 64.929,59.534 D5.1@66.046,58.417
NetANT1_1: ANT1.1 C47.2 R101.1 | length 3.4
  Top Layer w0.508: ANT1.1@9.825,6.1 10.762,6.1 cw(c10.762,4.478) C47.2@11.909,5.625 R101.1@11.909,4.475
NetC5_1: C5.1 R11.2 R18.2 R23.2 U1.7 | length 14.4
  Top Layer w0.254: v2(54.629,46.127) 62.448,46.127 v2(63.341,45.234)
  Bottom Layer w0.203: R11.2@53.613,46.403 R23.2@53.613,47.85 ; R11.2@53.727,46.288 53.888,46.127 v2(54.629,46.127) U1.7@55.295,46.127
  Bottom Layer w0.254: R11.2@53.613,46.403 53.727,46.288 C5.1@53.727,45.115 ; R18.2@62.427,45.234 v2(63.341,45.234)
NetC6_1: C6.1 R12.2 R17.2 R21.2 U1.5 | length 11.8
  Top Layer w0.203: v2(56.229,44.879) 56.28,44.828 v2(58.185,44.828)
  Bottom Layer w0.203: R12.2@51.67,43.312 52.94,43.312 C6.1@53.016,43.388 53.669,44.04 54.435,44.04 54.994,44.599 55.95,44.599 v2(56.229,44.879) 56.595,45.245 U1.5@56.595,46.127 ; v2(58.185,44.828) 58.185,44.671 R21.2@59.341,43.515 R17.2@60.788,43.515